# Altium PCB Fri3d_2024_Exp0_01.PcbDoc (part 1 of 2) (continued)
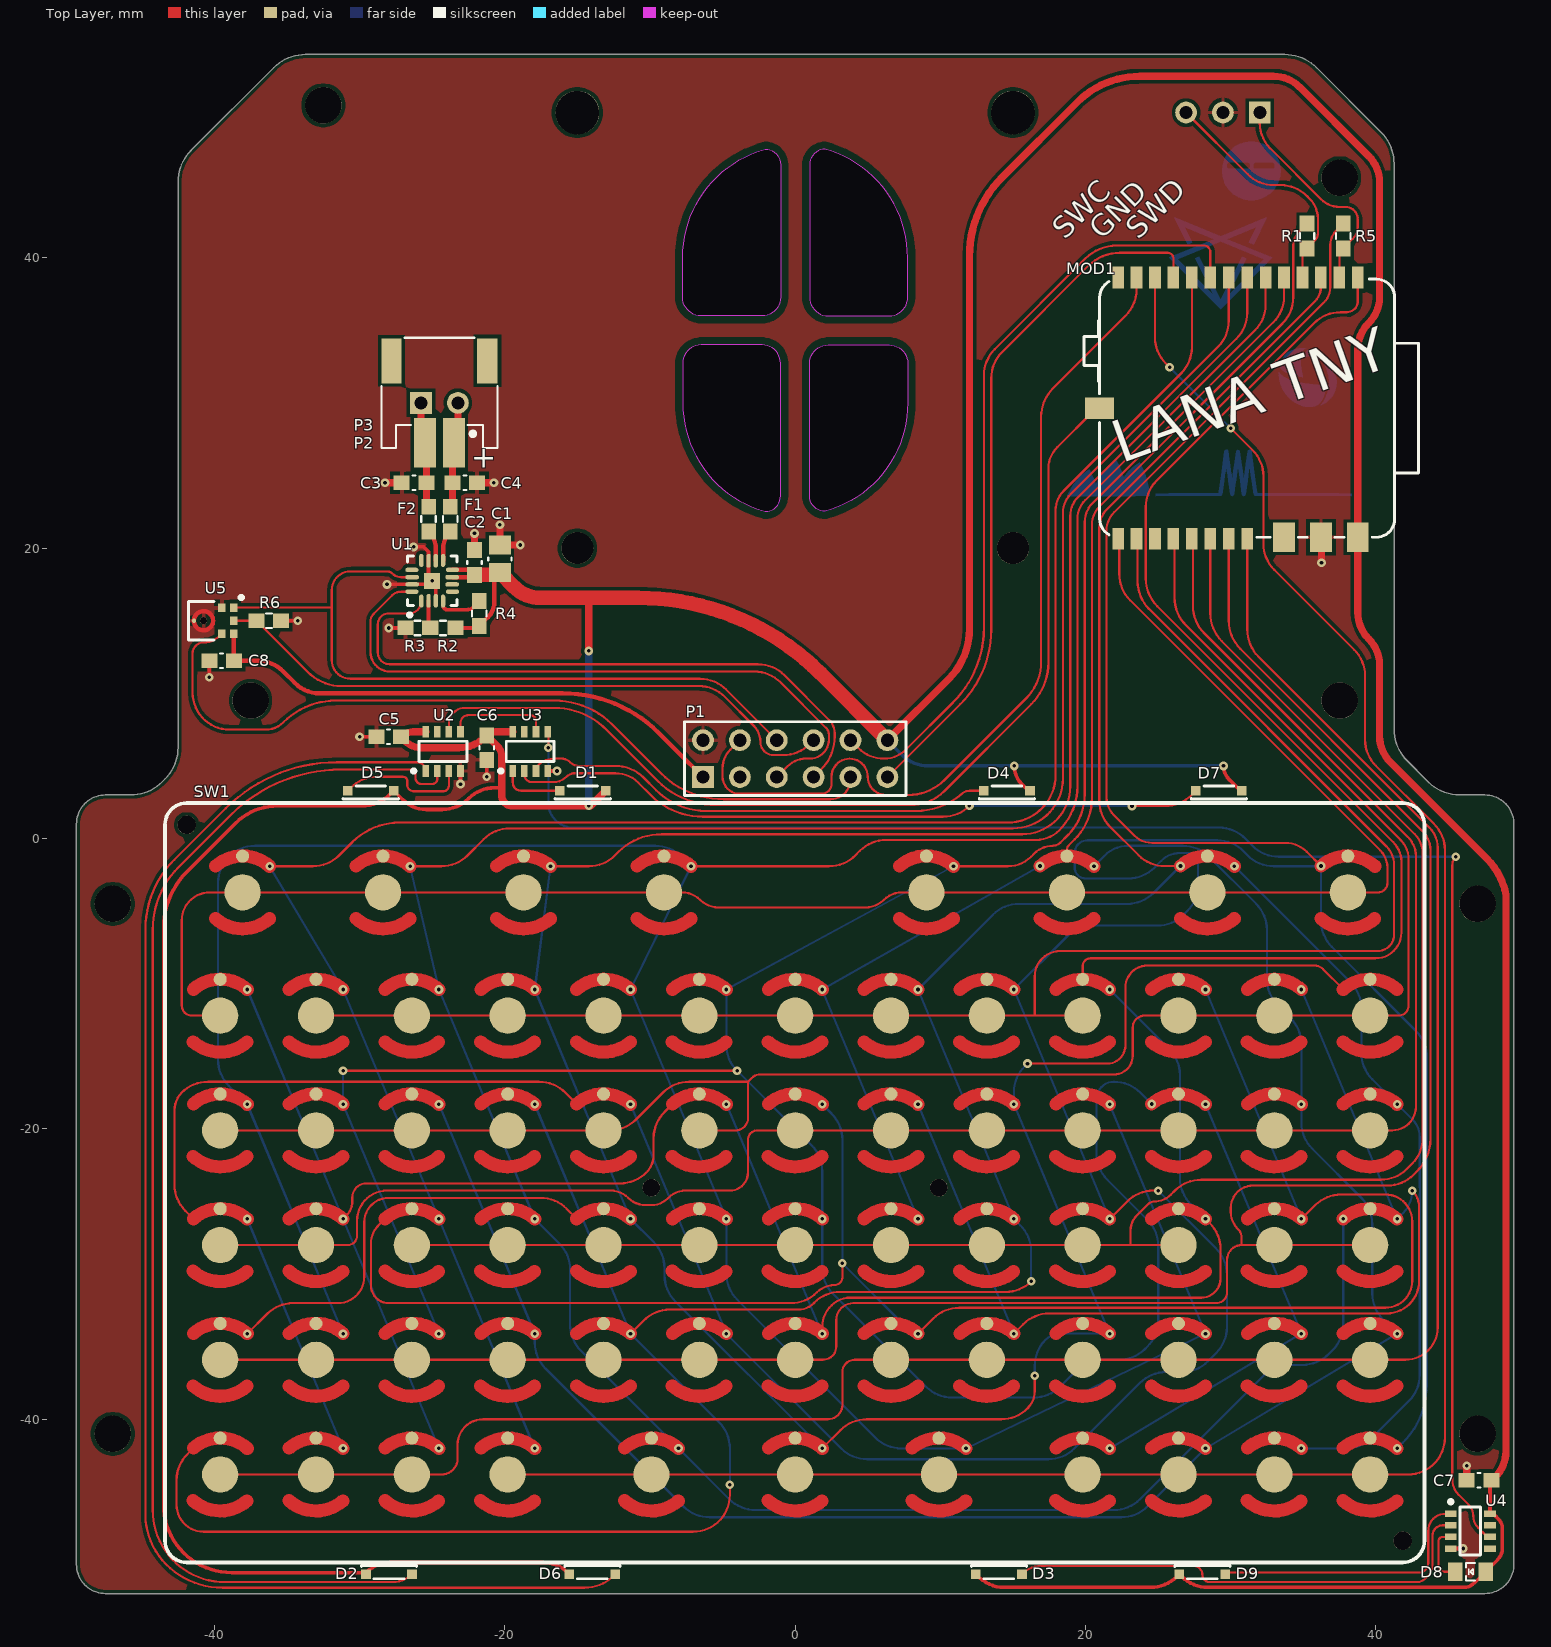
[diagram p0: Top Layer view]
## Footprints (in the part's own frame and the unit in brackets; to place one, negate y for a bottom-side part, rotate by r counter-clockwise, add the part's x,y. Pads: shape width x height; smd on the part's side, far side on the other; paste and mask are expansions set on the pad) (continued)
  Top Layer pour cut-out: 79.05,42.95 79.05,46.275 79.7,46.925 83.3,46.925 83.9,46.325 83.9,42.9 83.625,42.625 79.25,42.625
  Top Layer pour cut-out: 1.385,34.46 1.385,37.785 2.035,38.435 5.635,38.435 6.235,37.835 6.235,34.41 5.96,34.135 1.585,34.135
  Top Layer pour cut-out: 7.985,34.46 7.985,37.785 8.635,38.435 12.235,38.435 12.835,37.835 12.835,34.41 12.56,34.135 8.185,34.135
  Top Layer pour cut-out: 14.585,34.46 14.585,37.785 15.235,38.435 18.835,38.435 19.435,37.835 19.435,34.41 19.16,34.135 14.785,34.135
  Top Layer pour cut-out: 21.185,34.46 21.185,37.785 21.835,38.435 25.435,38.435 26.035,37.835 26.035,34.41 25.76,34.135 21.385,34.135
  Top Layer pour cut-out: 27.785,34.46 27.785,37.785 28.435,38.435 32.035,38.435 32.635,37.835 32.635,34.41 32.36,34.135 27.985,34.135
  Top Layer pour cut-out: 34.385,34.46 34.385,37.785 35.035,38.435 38.635,38.435 39.235,37.835 39.235,34.41 38.96,34.135 34.585,34.135
  Top Layer pour cut-out: 40.985,34.46 40.985,37.785 41.635,38.435 45.235,38.435 45.835,37.835 45.835,34.41 45.56,34.135 41.185,34.135
  Top Layer pour cut-out: 47.585,34.46 47.585,37.785 48.235,38.435 51.835,38.435 52.435,37.835 52.435,34.41 52.16,34.135 47.785,34.135
  Top Layer pour cut-out: 54.185,34.46 54.185,37.785 54.835,38.435 58.435,38.435 59.035,37.835 59.035,34.41 58.76,34.135 54.385,34.135
  Top Layer pour cut-out: 60.785,34.46 60.785,37.785 61.435,38.435 65.035,38.435 65.635,37.835 65.635,34.41 65.36,34.135 60.985,34.135
  Top Layer pour cut-out: 67.385,34.46 67.385,37.785 68.035,38.435 71.635,38.435 72.235,37.835 72.235,34.41 71.96,34.135 67.585,34.135
  Top Layer pour cut-out: 73.985,34.46 73.985,37.785 74.635,38.435 78.235,38.435 78.835,37.835 78.835,34.41 78.56,34.135 74.185,34.135
  Top Layer pour cut-out: 80.585,34.46 80.585,37.785 81.235,38.435 84.835,38.435 85.435,37.835 85.435,34.41 85.16,34.135 80.785,34.135
  Top Layer pour cut-out: 1.385,26.56 1.385,29.885 2.035,30.535 5.635,30.535 6.235,29.935 6.235,26.51 5.96,26.235 1.585,26.235
  Top Layer pour cut-out: 7.985,26.56 7.985,29.885 8.635,30.535 12.235,30.535 12.835,29.935 12.835,26.51 12.56,26.235 8.185,26.235
  Top Layer pour cut-out: 14.585,26.56 14.585,29.885 15.235,30.535 18.835,30.535 19.435,29.935 19.435,26.51 19.16,26.235 14.785,26.235
  Top Layer pour cut-out: 21.185,26.56 21.185,29.885 21.835,30.535 25.435,30.535 26.035,29.935 26.035,26.51 25.76,26.235 21.385,26.235
  Top Layer pour cut-out: 27.785,26.56 27.785,29.885 28.435,30.535 32.035,30.535 32.635,29.935 32.635,26.51 32.36,26.235 27.985,26.235
  Top Layer pour cut-out: 34.385,26.56 34.385,29.885 35.035,30.535 38.635,30.535 39.235,29.935 39.235,26.51 38.96,26.235 34.585,26.235
  Top Layer pour cut-out: 40.985,26.56 40.985,29.885 41.635,30.535 45.235,30.535 45.835,29.935 45.835,26.51 45.56,26.235 41.185,26.235
  Top Layer pour cut-out: 47.585,26.56 47.585,29.885 48.235,30.535 51.835,30.535 52.435,29.935 52.435,26.51 52.16,26.235 47.785,26.235
  Top Layer pour cut-out: 54.185,26.56 54.185,29.885 54.835,30.535 58.435,30.535 59.035,29.935 59.035,26.51 58.76,26.235 54.385,26.235
  Top Layer pour cut-out: 60.785,26.56 60.785,29.885 61.435,30.535 65.035,30.535 65.635,29.935 65.635,26.51 65.36,26.235 60.985,26.235
  Top Layer pour cut-out: 67.385,26.56 67.385,29.885 68.035,30.535 71.635,30.535 72.235,29.935 72.235,26.51 71.96,26.235 67.585,26.235
  Top Layer pour cut-out: 73.985,26.56 73.985,29.885 74.635,30.535 78.235,30.535 78.835,29.935 78.835,26.51 78.56,26.235 74.185,26.235
  Top Layer pour cut-out: 80.585,26.56 80.585,29.885 81.235,30.535 84.835,30.535 85.435,29.935 85.435,26.51 85.16,26.235 80.785,26.235
  Top Layer pour cut-out: 1.385,18.66 1.385,21.985 2.035,22.635 5.635,22.635 6.235,22.035 6.235,18.61 5.96,18.335 1.585,18.335
  Top Layer pour cut-out: 7.985,18.66 7.985,21.985 8.635,22.635 12.235,22.635 12.835,22.035 12.835,18.61 12.56,18.335 8.185,18.335
  Top Layer pour cut-out: 14.585,18.66 14.585,21.985 15.235,22.635 18.835,22.635 19.435,22.035 19.435,18.61 19.16,18.335 14.785,18.335
  Top Layer pour cut-out: 21.185,18.66 21.185,21.985 21.835,22.635 25.435,22.635 26.035,22.035 26.035,18.61 25.76,18.335 21.385,18.335
  Top Layer pour cut-out: 27.785,18.66 27.785,21.985 28.435,22.635 32.035,22.635 32.635,22.035 32.635,18.61 32.36,18.335 27.985,18.335
  Top Layer pour cut-out: 34.385,18.66 34.385,21.985 35.035,22.635 38.635,22.635 39.235,22.035 39.235,18.61 38.96,18.335 34.585,18.335
  Top Layer pour cut-out: 40.985,18.66 40.985,21.985 41.635,22.635 45.235,22.635 45.835,22.035 45.835,18.61 45.56,18.335 41.185,18.335
  Top Layer pour cut-out: 47.585,18.66 47.585,21.985 48.235,22.635 51.835,22.635 52.435,22.035 52.435,18.61 52.16,18.335 47.785,18.335
  Top Layer pour cut-out: 54.185,18.66 54.185,21.985 54.835,22.635 58.435,22.635 59.035,22.035 59.035,18.61 58.76,18.335 54.385,18.335
  Top Layer pour cut-out: 60.785,18.66 60.785,21.985 61.435,22.635 65.035,22.635 65.635,22.035 65.635,18.61 65.36,18.335 60.985,18.335
  Top Layer pour cut-out: 67.385,18.66 67.385,21.985 68.035,22.635 71.635,22.635 72.235,22.035 72.235,18.61 71.96,18.335 67.585,18.335
  Top Layer pour cut-out: 73.985,18.66 73.985,21.985 74.635,22.635 78.235,22.635 78.835,22.035 78.835,18.61 78.56,18.335 74.185,18.335
  Top Layer pour cut-out: 80.585,18.66 80.585,21.985 81.235,22.635 84.835,22.635 85.435,22.035 85.435,18.61 85.16,18.335 80.785,18.335
  Top Layer pour cut-out: 1.385,10.76 1.385,14.085 2.035,14.735 5.635,14.735 6.235,14.135 6.235,10.71 5.96,10.435 1.585,10.435
  Top Layer pour cut-out: 7.985,10.76 7.985,14.085 8.635,14.735 12.235,14.735 12.835,14.135 12.835,10.71 12.56,10.435 8.185,10.435
  Top Layer pour cut-out: 14.585,10.76 14.585,14.085 15.235,14.735 18.835,14.735 19.435,14.135 19.435,10.71 19.16,10.435 14.785,10.435
  Top Layer pour cut-out: 21.185,10.76 21.185,14.085 21.835,14.735 25.435,14.735 26.035,14.135 26.035,10.71 25.76,10.435 21.385,10.435
  Top Layer pour cut-out: 27.785,10.76 27.785,14.085 28.435,14.735 32.035,14.735 32.635,14.135 32.635,10.71 32.36,10.435 27.985,10.435
  Top Layer pour cut-out: 34.385,10.76 34.385,14.085 35.035,14.735 38.635,14.735 39.235,14.135 39.235,10.71 38.96,10.435 34.585,10.435
  Top Layer pour cut-out: 40.985,10.76 40.985,14.085 41.635,14.735 45.235,14.735 45.835,14.135 45.835,10.71 45.56,10.435 41.185,10.435
  Top Layer pour cut-out: 47.585,10.76 47.585,14.085 48.235,14.735 51.835,14.735 52.435,14.135 52.435,10.71 52.16,10.435 47.785,10.435
  Top Layer pour cut-out: 54.185,10.76 54.185,14.085 54.835,14.735 58.435,14.735 59.035,14.135 59.035,10.71 58.76,10.435 54.385,10.435
  Top Layer pour cut-out: 60.785,10.76 60.785,14.085 61.435,14.735 65.035,14.735 65.635,14.135 65.635,10.71 65.36,10.435 60.985,10.435
  Top Layer pour cut-out: 67.385,10.76 67.385,14.085 68.035,14.735 71.635,14.735 72.235,14.135 72.235,10.71 71.96,10.435 67.585,10.435
  Top Layer pour cut-out: 73.985,10.76 73.985,14.085 74.635,14.735 78.235,14.735 78.835,14.135 78.835,10.71 78.56,10.435 74.185,10.435
  Top Layer pour cut-out: 80.585,10.76 80.585,14.085 81.235,14.735 84.835,14.735 85.435,14.135 85.435,10.71 85.16,10.435 80.785,10.435
  Top Layer pour cut-out: 1.385,2.86 1.385,6.185 2.035,6.835 5.635,6.835 6.235,6.235 6.235,2.81 5.96,2.535 1.585,2.535
  Top Layer pour cut-out: 7.985,2.86 7.985,6.185 8.635,6.835 12.235,6.835 12.835,6.235 12.835,2.81 12.56,2.535 8.185,2.535
  Top Layer pour cut-out: 14.585,2.86 14.585,6.185 15.235,6.835 18.835,6.835 19.435,6.235 19.435,2.81 19.16,2.535 14.785,2.535
  Top Layer pour cut-out: 21.185,2.86 21.185,6.185 21.835,6.835 25.435,6.835 26.035,6.235 26.035,2.81 25.76,2.535 21.385,2.535
  Top Layer pour cut-out: 40.985,2.86 40.985,6.185 41.635,6.835 45.235,6.835 45.835,6.235 45.835,2.81 45.56,2.535 41.185,2.535
  Top Layer pour cut-out: 60.785,2.86 60.785,6.185 61.435,6.835 65.035,6.835 65.635,6.235 65.635,2.81 65.36,2.535 60.985,2.535
  Top Layer pour cut-out: 67.385,2.86 67.385,6.185 68.035,6.835 71.635,6.835 72.235,6.235 72.235,2.81 71.96,2.535 67.585,2.535
  Top Layer pour cut-out: 73.985,2.86 73.985,6.185 74.635,6.835 78.235,6.835 78.835,6.235 78.835,2.81 78.56,2.535 74.185,2.535
  Top Layer pour cut-out: 80.585,2.86 80.585,6.185 81.235,6.835 84.835,6.835 85.435,6.235 85.435,2.81 85.16,2.535 80.785,2.535
  Top Layer pour cut-out: 50.885,2.86 50.885,6.185 51.535,6.835 55.135,6.835 55.735,6.235 55.735,2.81 55.46,2.535 51.085,2.535
  Top Layer pour cut-out: 40.985,2.86 40.985,6.185 41.635,6.835 45.235,6.835 45.835,6.235 45.835,2.81 45.56,2.535 41.185,2.535
  Top Layer pour cut-out: 31.085,2.86 31.085,6.185 31.735,6.835 35.335,6.835 35.935,6.235 35.935,2.81 35.66,2.535 31.285,2.535
  Top Layer lines w0.9: 1.944,2.76 ccw(c3.809,4.853) 5.657,2.746 ; 1.944,10.66 ccw(c3.809,12.753) 5.657,10.646 ; 1.944,18.56 ccw(c3.809,20.653) 5.657,18.546 ; 1.944,26.46 ccw(c3.809,28.553) 5.657,26.446 ; 1.944,34.36 ccw(c3.809,36.453) 5.657,34.346 ; 1.958,6.374 cw(c3.806,4.267) 5.671,6.36 ; 1.958,14.274 cw(c3.806,12.167) 5.671,14.26 ; 1.958,22.174 cw(c3.806,20.067) 5.671,22.16 ; 1.958,30.074 cw(c3.806,27.967) 5.671,30.06 ; 1.958,37.974 cw(c3.806,35.867) 5.671,37.96 ; 3.484,42.85 ccw(c5.349,44.943) 7.197,42.836 ; 3.498,46.464 cw(c5.346,44.357) 7.211,46.45 ; 8.544,2.759 ccw(c10.409,4.852) 12.257,2.745 ; 8.544,10.66 ccw(c10.409,12.753) 12.257,10.646 ; 8.544,18.56 ccw(c10.409,20.653) 12.257,18.546 ; 8.544,26.46 ccw(c10.409,28.553) 12.257,26.446 ; 8.544,34.36 ccw(c10.409,36.453) 12.257,34.346 ; 8.558,6.373 cw(c10.406,4.266) 12.271,6.359 ; 8.557,14.274 cw(c10.406,12.167) 12.271,14.26 ; 8.557,22.174 cw(c10.406,20.067) 12.271,22.16 ; 8.557,30.074 cw(c10.406,27.967) 12.271,30.06 ; 8.557,37.974 cw(c10.406,35.867) 12.271,37.96 ; 13.159,42.85 ccw(c15.024,44.943) 16.872,42.836 ; 13.173,46.464 cw(c15.021,44.357) 16.886,46.45 ; 15.144,2.759 ccw(c17.009,4.852) 18.857,2.745 ; 15.144,10.66 ccw(c17.009,12.753) 18.857,10.646 ; 15.144,18.56 ccw(c17.009,20.653) 18.857,18.546 ; 15.144,26.46 ccw(c17.009,28.553) 18.857,26.446 ; 15.144,34.36 ccw(c17.009,36.453) 18.857,34.346 ; 15.158,6.373 cw(c17.006,4.266) 18.871,6.359 ; 15.157,14.274 cw(c17.006,12.167) 18.871,14.26 ; 15.157,22.174 cw(c17.006,20.067) 18.871,22.16 ; 15.157,30.074 cw(c17.006,27.967) 18.871,30.06 ; 15.157,37.974 cw(c17.006,35.867) 18.871,37.96 ; 21.744,2.759 ccw(c23.609,4.852) 25.457,2.745 ; 21.744,10.66 ccw(c23.609,12.753) 25.457,10.646 ; 21.744,18.56 ccw(c23.609,20.653) 25.457,18.546 ; 21.744,26.46 ccw(c23.609,28.553) 25.457,26.446 ; 21.744,34.36 ccw(c23.609,36.453) 25.457,34.346 ; 21.758,6.373 cw(c23.606,4.266) 25.471,6.359 ; 21.758,14.274 cw(c23.606,12.167) 25.471,14.26 ; 21.758,22.174 cw(c23.606,20.067) 25.471,22.16 ; 21.758,30.074 cw(c23.606,27.967) 25.471,30.06 ; 21.758,37.974 cw(c23.606,35.867) 25.471,37.96 ; 22.834,42.85 ccw(c24.699,44.943) 26.547,42.836 ; 22.848,46.464 cw(c24.696,44.357) 26.561,46.45 ; 28.344,10.66 ccw(c30.209,12.753) 32.057,10.646 ; 28.344,18.56 ccw(c30.209,20.653) 32.057,18.546 ; 28.344,26.46 ccw(c30.209,28.553) 32.057,26.446 ; 28.344,34.36 ccw(c30.209,36.453) 32.057,34.346 ; 28.358,14.274 cw(c30.206,12.167) 32.071,14.26 ; 28.358,22.174 cw(c30.206,20.067) 32.071,22.16 ; 28.358,30.074 cw(c30.206,27.967) 32.071,30.06 ; 28.358,37.974 cw(c30.206,35.867) 32.071,37.96 ; 31.644,2.759 ccw(c33.509,4.852) 35.357,2.745 ; 31.658,6.373 cw(c33.506,4.266) 35.371,6.359 ; 32.509,42.85 ccw(c34.374,44.943) 36.222,42.836 ; 32.523,46.464 cw(c34.371,44.357) 36.236,46.45 ; 34.944,10.66 ccw(c36.809,12.753) 38.657,10.646 ; 34.944,18.56 ccw(c36.809,20.653) 38.657,18.546 ; 34.944,26.46 ccw(c36.809,28.553) 38.657,26.446 ; 34.944,34.36 ccw(c36.809,36.453) 38.657,34.346 ; 34.958,14.274 cw(c36.806,12.167) 38.671,14.26 ; 34.958,22.174 cw(c36.806,20.067) 38.671,22.16 ; 34.958,30.074 cw(c36.806,27.967) 38.671,30.06 ; 34.958,37.974 cw(c36.806,35.867) 38.671,37.96 ; 41.544,2.759 ccw(c43.409,4.852) 45.257,2.745 ; 41.544,10.66 ccw(c43.409,12.753) 45.257,10.646 ; 41.544,18.56 ccw(c43.409,20.653) 45.257,18.546 ; 41.544,26.46 ccw(c43.409,28.553) 45.257,26.446 ; 41.544,34.36 ccw(c43.409,36.453) 45.257,34.346 ; 41.558,6.373 cw(c43.406,4.266) 45.271,6.359 ; 41.557,14.274 cw(c43.406,12.167) 45.271,14.26 ; 41.557,22.174 cw(c43.406,20.067) 45.271,22.16 ; 41.557,30.074 cw(c43.406,27.967) 45.271,30.06 ; 41.557,37.974 cw(c43.406,35.867) 45.271,37.96 ; 48.144,10.66 ccw(c50.009,12.753) 51.857,10.646 ; 48.144,18.56 ccw(c50.009,20.653) 51.857,18.546 ; 48.144,26.46 ccw(c50.009,28.553) 51.857,26.446 ; 48.144,34.36 ccw(c50.009,36.453) 51.857,34.346 ; 48.158,14.274 cw(c50.006,12.167) 51.871,14.26 ; 48.158,22.174 cw(c50.006,20.067) 51.871,22.16 ; 48.158,30.074 cw(c50.006,27.967) 51.871,30.06 ; 48.158,37.974 cw(c50.006,35.867) 51.871,37.96 ; 50.584,42.85 ccw(c52.449,44.943) 54.297,42.836 ; 50.598,46.464 cw(c52.446,44.357) 54.311,46.45 ; 51.444,2.759 ccw(c53.309,4.852) 55.157,2.745 ; 51.458,6.373 cw(c53.306,4.266) 55.171,6.359 ; 54.744,10.66 ccw(c56.609,12.753) 58.457,10.646 ; 54.744,18.56 ccw(c56.609,20.653) 58.457,18.546 ; 54.744,26.46 ccw(c56.609,28.553) 58.457,26.446 ; 54.744,34.36 ccw(c56.609,36.453) 58.457,34.346 ; 54.758,14.274 cw(c56.606,12.167) 58.471,14.26 ; 54.758,22.174 cw(c56.606,20.067) 58.471,22.16 ; 54.758,30.074 cw(c56.606,27.967) 58.471,30.06 ; 54.758,37.974 cw(c56.606,35.867) 58.471,37.96 ; 60.259,42.85 ccw(c62.124,44.943) 63.973,42.836 ; 60.273,46.464 cw(c62.121,44.357) 62.124,47.16 cw(c62.121,44.357) 63.986,46.45 ; 61.344,2.759 ccw(c63.209,4.852) 65.057,2.745 ; 61.344,10.66 ccw(c63.209,12.753) 65.057,10.646 ; 61.344,18.56 ccw(c63.209,20.653) 65.057,18.546 ; 61.344,26.46 ccw(c63.209,28.553) 65.057,26.446 ; 61.344,34.36 ccw(c63.209,36.453) 65.057,34.346 ; 61.358,6.373 cw(c63.206,4.266) 65.071,6.359 ; 61.358,14.274 cw(c63.206,12.167) 65.071,14.26 ; 61.358,22.174 cw(c63.206,20.067) 65.071,22.16 ; 61.358,30.074 cw(c63.206,27.967) 65.071,30.06 ; 61.358,37.974 cw(c63.206,35.867) 65.071,37.96 ; 67.944,2.759 ccw(c69.809,4.852) 71.657,2.745 ; 67.944,10.66 ccw(c69.809,12.753) 71.657,10.646 ; 67.944,18.56 ccw(c69.809,20.653) 71.657,18.546 ; 67.944,26.46 ccw(c69.809,28.553) 71.657,26.446 ; 67.944,34.36 ccw(c69.809,36.453) 71.657,34.346 ; 67.958,6.373 cw(c69.806,4.266) 71.671,6.359 ; 67.958,14.274 cw(c69.806,12.167) 71.671,14.26 ; 67.958,22.174 cw(c69.806,20.067) 71.671,22.16 ; 67.958,30.074 cw(c69.806,27.967) 71.671,30.06 ; 67.958,37.974 cw(c69.806,35.867) 71.671,37.96 ; 69.934,42.85 ccw(c71.799,44.943) 73.647,42.836 ; 69.948,46.464 cw(c71.796,44.357) 71.799,47.16 cw(c71.796,44.357) 73.661,46.45 ; 74.544,2.759 ccw(c76.409,4.852) 78.257,2.745 ; 74.544,10.66 ccw(c76.409,12.753) 78.257,10.646 ; 74.544,18.56 ccw(c76.409,20.653) 78.257,18.546 ; 74.544,26.46 ccw(c76.409,28.553) 78.257,26.446 ; 74.544,34.36 ccw(c76.409,36.453) 78.257,34.346 ; 74.558,6.373 cw(c76.406,4.266) 78.271,6.359 ; 74.558,14.274 cw(c76.406,12.167) 78.271,14.26 ; 74.558,22.174 cw(c76.406,20.067) 78.271,22.16 ; 74.558,30.074 cw(c76.406,27.967) 78.271,30.06 ; 74.558,37.974 cw(c76.406,35.867) 78.271,37.96 ; 79.609,42.85 ccw(c81.474,44.943) 83.322,42.836 ; 79.623,46.464 cw(c81.471,44.357) 81.465,47.16 cw(c81.471,44.357) 83.336,46.45 ; 81.144,2.759 ccw(c83.009,4.852) 84.857,2.745 ; 81.144,10.66 ccw(c83.009,12.753) 84.857,10.646 ; 81.144,18.56 ccw(c83.009,20.653) 84.857,18.546 ; 81.144,26.46 ccw(c83.009,28.553) 84.857,26.446 ; 81.144,34.36 ccw(c83.009,36.453) 84.857,34.346 ; 81.158,6.373 cw(c83.006,4.266) 84.871,6.359 ; 81.158,14.274 cw(c83.006,12.167) 84.871,14.26 ; 81.158,22.174 cw(c83.006,20.067) 84.871,22.16 ; 81.158,30.074 cw(c83.006,27.967) 84.871,30.06 ; 81.158,37.974 cw(c83.006,35.867) 84.871,37.96
  silkscreen extent 0,-1.5 86.76,50.8, body extent 0,-1.5 86.75,50.8, height 4.95
TDK_ICS-43434 [mm]
  rect 0.522x0.6 smd: 1(-2.074,-0.9) 2(-1.252,-0.9) 4(-1.252,0.9) 5(-2.074,0.9) 6(-2.074,0)
  round 0.5 hole 0.5 unplated: 3(0,0)
  round 0.3 smd: 3(0.663,0)
  Top Layer circle w0.3: c0,0 r0.663
  silkscreen extent -2.73,-1.72 1.04,1.33, body extent -2.46,-1.33 1.04,1.33, height 0.98
WE_620102131822 [mm]
  rect 1.5x3.4 smd: 1(0,0) 2(2,0)
  rect 1.4x3.1 smd: M1(-2.3,-5.65) M2(4.3,-5.65)
  silkscreen extent -3,-7.24 5,0.37, body extent -3,-7.24 5,1.36, height 5.65
WS_FSOP-8 [mm] "TSOP, 8-Leads, Body 3,25x1,65mm, Pitch 0,80mm, IPC Medium Density"
  rect 0.8x0.45 smd: 1(-1.35,1.2) 2(-1.35,0.4) 3(-1.35,-0.4) 4(-1.35,-1.2) 5(1.35,-1.2) 6(1.35,-0.4) 7(1.35,0.4) 8(1.35,1.2)
  silkscreen extent -1.47,-1.65 0.7,2.15, body extent -1.43,-1.65 1.43,1.65, height 1

## Part data
C1: library part "CAP # 10uF 10V 0805", "Capacitor Ceramic", Supplier Part Number 1=2320859, Supplier 1=Farnell
C2 C8: library part "CAP # 100nF 16V 0603", "Capacitor Ceramic"
C3 C4: library part "CAP # 220pF 50V 0603", "Capacitor Ceramic", Supplier Part Number 1=C5254623, Supplier 1=LCSC, Supplier 2=LCSC, Supplier 3=Generic, Supplier Part Number 2=C107081, Supplier Part Number 3="220pF 0603"
C5 C6 C7: library part "CAP # 1uF 16V 0603", "Capacitor Ceramic", Supplier Part Number 1=2320814, Supplier 1=Farnell, Supplier 2=LCSC, Supplier 3=Generic, Supplier Part Number 2=C1592, Supplier Part Number 3="1uF 16V 0603 X7R"
D1 D2 D3 D4 D5 D6 D7 D9: library part "LED # White Side Emitting LTW-010DCG-SR-G", "=Description", Supplier Part Number 1=C5175311, Supplier 1=LCSC, Supplier 2=LCSC, Supplier 3=LCSC, Supplier Part Number 2=C5175309, Supplier Part Number 3=C5175310
D8: library part "LED # Green 0805", "=Description", Supplier Part Number 1=2099239, Supplier 1=Farnell, Supplier 2=LCSC, Supplier Part Number 2=C965815
F1 F2: library part "FER # 600R 1A3 0603 0R15 BLM18KG601SN1D", Supplier Part Number 1=1781094, Supplier 1=Farnell
MOD1: library part "MOD # CH23V203 LANA TNY SMD", Supplier Part Number 1="LANA TNY", Supplier 1=Phyx
P1: library part "Pin Header 2.54mm dual row 12way"
P2: library part "HDR # SHR 2.0mm 2way - 620102131822", Supplier Part Number 1=620102131822, Supplier 1=Wurth, Supplier 2=Mouser, Supplier Part Number 2=710-620102131822
P3: library part "Pin Header 2.54mm 2way RA"
P4: library part "Pin Header 2.54mm 3way", Supplier Part Number 1=C429954, Supplier 1=LCSC, Supplier 2=LCSC, Supplier Part Number 2=C49257
R1 R5: library part "RES # 0R 0603", Supplier Part Number 1=2447743, Supplier 1=Farnell, Supplier 2=LCSC, Supplier 3=Generic, Supplier Part Number 2=C95177, Supplier Part Number 3="0R 1% 0603"
R2 R3 R6: library part "RES # 100K 0603", Supplier 3=Generic, Supplier Part Number 3="100K 1% 0603"
R4: library part "RES # 1M 0603", Supplier 3=Generic, Supplier Part Number 3="1M 1% 0603"
SW1: library part Solder_Party_Keyb
U1: library part "AMP # AUD MAX98357A", "=Description", Supplier Part Number 1=2949165, Supplier 1=Farnell
U2 U3 U4: library part "LED_DRVR # WS2811F FSOP-8", "WS2811F 3-Ch LED Driver", Supplier Part Number 1=C5446692, Supplier 1=LCSC
U5: library part "MIC # MEMS I2S ICS-43434", "=Description", Supplier Part Number 1=410-ICS-43434, Supplier 1=Mouser, Supplier 2=Farnell, Supplier Part Number 2=2911502

## Free pads (board coordinates)
  round 2.5 hole 2.5 unplated: 0(-47,-41) 0(-47,-4.5) 0(47,-41) 0(47,-4.5)
  round 2.5 hole 2.5 unplated mask+0.2: 0(-37.5,9.5) 0(-32.5,50.5) 0(37.5,9.5) 0(37.5,45.5)
  round 2.2 hole 2.2 unplated: 0(-15,20) 0(15,20)
  round 3 hole 3 unplated: 0(-15,50) 0(15,50)

## Via types
v1: diameter 0.6, hole 0.25, Top Layer to Bottom Layer, 110 vias

## Nets (pads, with @x,y where several pads share a name; then routed paths per layer and width w, separated by ;. In a path a pad name is that pad's centre, name@x,y a point inside that pad or via, vN(x,y) a via of type N, cw(c..) or ccw(c..) an arc to the next point about the centre after c; other vN are vias at no path point)
3V3_AUX: C8.1 P1.1 U5.5 | length 36.9
  Top Layer w0.3: U5.5@-38.676,14.1 -38.676,12.313 ccw(c-38.587,12.313) C8.1@-38.65,12.25 -37.052,12.25 cw(c-37.052,9.71) -35.256,11.506 -34.457,10.707 ccw(c-32.75,12.414) -32.75,10 -16.001,10 cw(c-16.001,0.632) -9.376,7.256 -8.1,5.98 P1.1@-6.35,4.23
3V3_LANA: MOD1.9
COL0: MOD1.21 SW1.1 SW1.19 SW1.37 SW1.55 SW1.73 SW1.91 SW1.109 SW1.127 | length 263.5
  Top Layer w0.15: v1(-36.198,-1.91) -33.212,-1.91 ccw(c-33.212,0.63) -31.416,-1.166 -30.494,-0.244 cw(c-27.249,-3.489) -27.249,1.1 14.647,1.1 ccw(c14.647,4.393) 17.94,4.382 17.94,22.627 cw(c19.781,22.627) 18.479,23.929 26.576,32.026 ccw(c24.78,33.822) 27.32,33.822 MOD1.21@27.32,38.63 ; -28.251,-26.187 -28.661,-26.596 ccw(c-27.31,-27.948) -29.221,-27.948 -29.221,-30.779 ccw(c-28,-30.779) -28,-32 -0.302,-32 ccw(c-0.302,-29.46) 1.494,-31.256 cw(c2.716,-32.478) 2.716,-30.75 ccw(c2.716,-30.216) 3.25,-30.216 v1(3.25,-29.25) ; v1(8.462,-34.1) 9.495,-33.067 cw(c11.291,-34.863) 11.291,-32.323 40.635,-32.323 ccw(c40.635,-30.458) 42.5,-30.458 42.5,-26.371 ccw(c40.646,-26.371) 40.646,-24.518 37.597,-24.518 ccw(c37.597,-27.058) 35.801,-25.262 v1(34.862,-26.2)
  Bottom Layer w0.15: v1(-36.198,-1.91) v1(-31.138,-10.4) v1(-24.538,-26.2) v1(-17.938,-42) ; v1(1.862,-18.3) 2.506,-18.944 cw(c0.71,-20.74) 3.25,-20.74 v1(3.25,-29.25) 7.844,-33.844 ccw(c8.462,-33.226) v1(8.462,-34.1) ; v1(28.262,-10.4) v1(34.862,-26.2)
COL1: MOD1.19 SW1.3 SW1.21 SW1.39 SW1.57 SW1.75 SW1.93 SW1.111 SW1.129 | length 265.1
  Top Layer w0.15: v1(-26.523,-1.91) -24.362,-1.91 ccw(c-24.362,0.63) -22.566,-1.166 -21.444,-0.044 cw(c-19.648,-1.84) -19.648,0.7 15.002,0.7 ccw(c15.002,4.138) 18.44,4.105 18.44,22.42 cw(c20.281,22.42) 18.979,23.722 29.116,33.859 ccw(c27.32,35.655) 29.86,35.655 MOD1.19@29.86,38.63 ; v1(15.062,-34.1) 15.709,-33.453 cw(c17.505,-35.249) 17.505,-32.709 40.739,-32.709 ccw(c40.739,-30.478) 42.971,-30.478 42.971,-25.387 ccw(c41.363,-25.387) v1(42.5,-24.25)
  Bottom Layer w0.15: v1(-26.523,-1.91) v1(-24.538,-10.4) v1(-17.938,-26.2) -16.244,-27.894 cw(c-18.04,-29.69) -15.5,-29.69 -15.5,-33.486 ccw(c-12.96,-33.486) -14.756,-35.282 v1(-8.038,-42) -4.532,-45.506 ccw(c-2.736,-43.71) -2.736,-46.25 21.948,-46.25 ccw(c21.948,-43.71) 23.744,-45.506 32.256,-36.994 cw(c34.052,-38.79) 34.052,-36.25 34.948,-36.25 ccw(c34.948,-33.71) 36.744,-35.506 37.005,-35.245 ccw(c35.209,-33.449) 37.749,-33.449 v1(37.749,-26.187) ; v1(8.462,-18.3) v1(15.062,-34.1) ; v1(34.862,-10.4) v1(41.462,-26.2) 41.855,-25.808 ccw(c40.297,-24.25) v1(42.5,-24.25)
COL2: MOD1.18 SW1.5 SW1.23 SW1.41 SW1.59 SW1.77 SW1.95 SW1.113 SW1.131 | length 227.4
  Top Layer w0.15: v1(-37.738,-34.1) -36.382,-32.744 cw(c-34.585,-34.54) -34.585,-32 -31.5,-32 ccw(c-31.5,-30.174) -29.674,-30.174 -29.674,-26.424 cw(c-28,-26.424) -28,-24.75 -17.54,-24.75 cw(c-17.54,-27.29) -15.744,-25.494 -15.051,-26.187 ; v1(-16.848,-1.91) -14.212,-1.91 ccw(c-14.212,0.63) -12.416,-1.166 -12.177,-0.927 cw(c-9.215,-3.888) -9.215,0.3 15.634,0.3 ccw(c15.649,3.59) 18.94,3.59 18.94,22.212 cw(c20.781,22.212) 19.479,23.515 30.386,34.422 ccw(c28.59,36.218) 31.13,36.218 MOD1.18@31.13,38.63 ; v1(1.862,-42) 3.118,-40.744 cw(c4.915,-42.54) 4.915,-40 14.198,-40 ccw(c14.198,-37.46) 15.994,-39.256 ccw(c14.772,-38.034) 16.5,-38.034 v1(16.5,-37) ; v1(16,-15.5) 21.5,-15.5 ccw(c21.5,-14.259) 22.741,-14.259 22.741,-10.27 cw(c24.261,-10.27) 24.261,-8.75 35.767,-8.75 cw(c35.767,-9.583) 36.356,-8.994 37.749,-10.387
  Bottom Layer w0.15: v1(-16.848,-1.91) v1(-17.938,-10.4) v1(-11.338,-26.2) -9.744,-27.794 cw(c-11.54,-29.59) -9,-29.59 -9,-30.086 ccw(c-6.46,-30.086) -8.256,-31.882 v1(1.862,-42) ; v1(16,-15.5) 15.806,-15.694 ccw(c17.602,-17.49) 15.062,-17.49 v1(15.062,-18.3) v1(21.662,-34.1) 18.27,-34.1 ccw(c18.27,-35.551) 17.244,-34.525 ccw(c19.04,-36.321) 16.5,-36.321 v1(16.5,-37)
COL3: MOD1.17 SW1.7 SW1.25 SW1.43 SW1.61 SW1.79 SW1.97 SW1.115 SW1.133 | length 224.9
  Top Layer w0.15: v1(-7.173,-1.91) 2.338,-1.91 ccw(c2.338,0.63) 4.134,-1.166 4.456,-0.844 cw(c6.252,-2.64) 6.252,-0.1 16.588,-0.1 ccw(c16.588,2.162) 18.188,0.562 ccw(c15.165,3.585) 19.44,3.585 19.44,22.005 cw(c21.281,22.005) 19.979,23.308 31.656,34.984 ccw(c29.86,36.781) 32.4,36.781 MOD1.17@32.4,38.63
  Bottom Layer w0.15: -39.006,-17.032 v1(-37.738,-18.3) v1(-31.138,-34.1) ; -39.006,-17.032 cw(c-37.21,-15.236) -39.75,-15.236 -39.75,-3.04 cw(c-37.21,-3.04) -37.21,-0.5 -9.635,-0.5 cw(c-9.635,-3.04) -7.839,-1.244 v1(-7.173,-1.91) v1(-11.338,-10.4) v1(-4.738,-26.2) -4.738,-29.96 ccw(c-2.198,-29.96) -3.994,-31.756 5.506,-41.256 ccw(c7.302,-39.46) 7.302,-42 v1(11.762,-42) v1(28.262,-34.1) v1(21.662,-18.3)
COL4: MOD1.16 SW1.9 SW1.27 SW1.45 SW1.63 SW1.81 SW1.99 SW1.117 SW1.135 | length 222.7
  Top Layer w0.15: v1(-31.138,-16) v1(-4,-16) ; v1(10.902,-1.91) 14.656,-1.91 ccw(c14.656,0.344) 16.25,-1.25 16.47,-1.03 cw(c17.75,-2.311) 17.75,-0.5 ccw(c17.75,0.222) 18.26,-0.289 18.756,0.207 ccw(c15.898,3.065) 19.94,3.065 19.94,21.798 cw(c21.781,21.798) 20.479,23.101 32.926,35.547 ccw(c31.13,37.343) 33.67,37.343 MOD1.16@33.67,38.63
  Bottom Layer w0.15: v1(-31.138,-16) v1(-31.138,-18.3) v1(-24.538,-34.1) ; v1(10.902,-1.91) v1(-4.738,-10.4) -4.738,-14.219 ccw(c-2.219,-14.219) v1(-4,-16) 1.118,-21.118 cw(c-0.678,-22.914) 1.862,-22.914 v1(1.862,-26.2) 1.862,-29.56 ccw(c4.402,-29.56) 2.606,-31.356 9.006,-37.756 ccw(c10.802,-35.96) 10.802,-38.5 16.448,-38.5 ccw(c16.448,-35.96) 18.244,-37.756 19.356,-36.644 cw(c21.152,-38.44) 21.152,-35.9 22.298,-35.9 ccw(c22.298,-33.36) 24.094,-35.156 24.256,-34.994 ccw(c22.46,-33.198) 25,-33.198 25,-28.052 ccw(c22.46,-28.052) 24.256,-26.256 21.494,-23.494 cw(c23.29,-21.698) 20.75,-21.698 20.75,-17.96 cw(c21.96,-17.96) 21.96,-16.75 cw(c21.96,-19.29) 23.756,-17.494 v1(24.549,-18.287) ; v1(21.662,-42) v1(34.862,-34.1) v1(28.262,-18.3)
COL5: R1.1 SW1.11 SW1.29 SW1.47 SW1.65 SW1.83 SW1.101 SW1.119 SW1.137 | length 217.1
  Top Layer w0.15: SW1.11@18.715,-1.209 18.715,-1.2 18.715,-0.787 cw(c19.173,-0.787) 18.849,-0.463 19.256,-0.056 ccw(c16.398,2.802) 20.44,2.802 20.44,21.591 cw(c22.281,21.591) 20.979,22.893 33.563,35.477 ccw(c31.767,37.273) 34.307,37.273 34.307,40.848 cw(c35.654,40.848) 34.701,41.801 R1.1@35.25,42.35
  Bottom Layer w0.15: v1(-24.538,-18.3) v1(-17.938,-34.1) -17.938,-34.71 ccw(c-15.398,-34.71) -17.194,-36.506 -7.694,-46.006 ccw(c-5.898,-44.21) -5.898,-46.75 22.46,-46.75 ccw(c22.46,-44.21) 24.256,-46.006 v1(28.262,-42) v1(41.462,-34.1) 40.494,-33.132 cw(c42.29,-31.336) 39.75,-31.336 39.75,-26.552 ccw(c37.21,-26.552) 39.006,-24.756 35.606,-21.356 cw(c37.402,-19.56) 34.862,-19.56 v1(34.862,-18.3) 34.862,-14.164 ccw(c32.322,-14.164) 34.118,-12.368 33.238,-11.488 cw(c35.034,-9.692) 32.494,-9.692 32.494,-6.297 ccw(c29.954,-6.297) 31.75,-4.5 28.494,-1.244 ccw(c26.698,-3.04) 26.698,-0.5 22.948,-0.5 ccw(c22.948,-2.819) 21.308,-1.179 v1(20.577,-1.91) ; v1(8.462,-26.2) v1(1.862,-10.4) v1(16.864,-1.896)